# EAGLE board Mk4 Final a Panel score (EAGLE 9.0.1), part 16 of 24
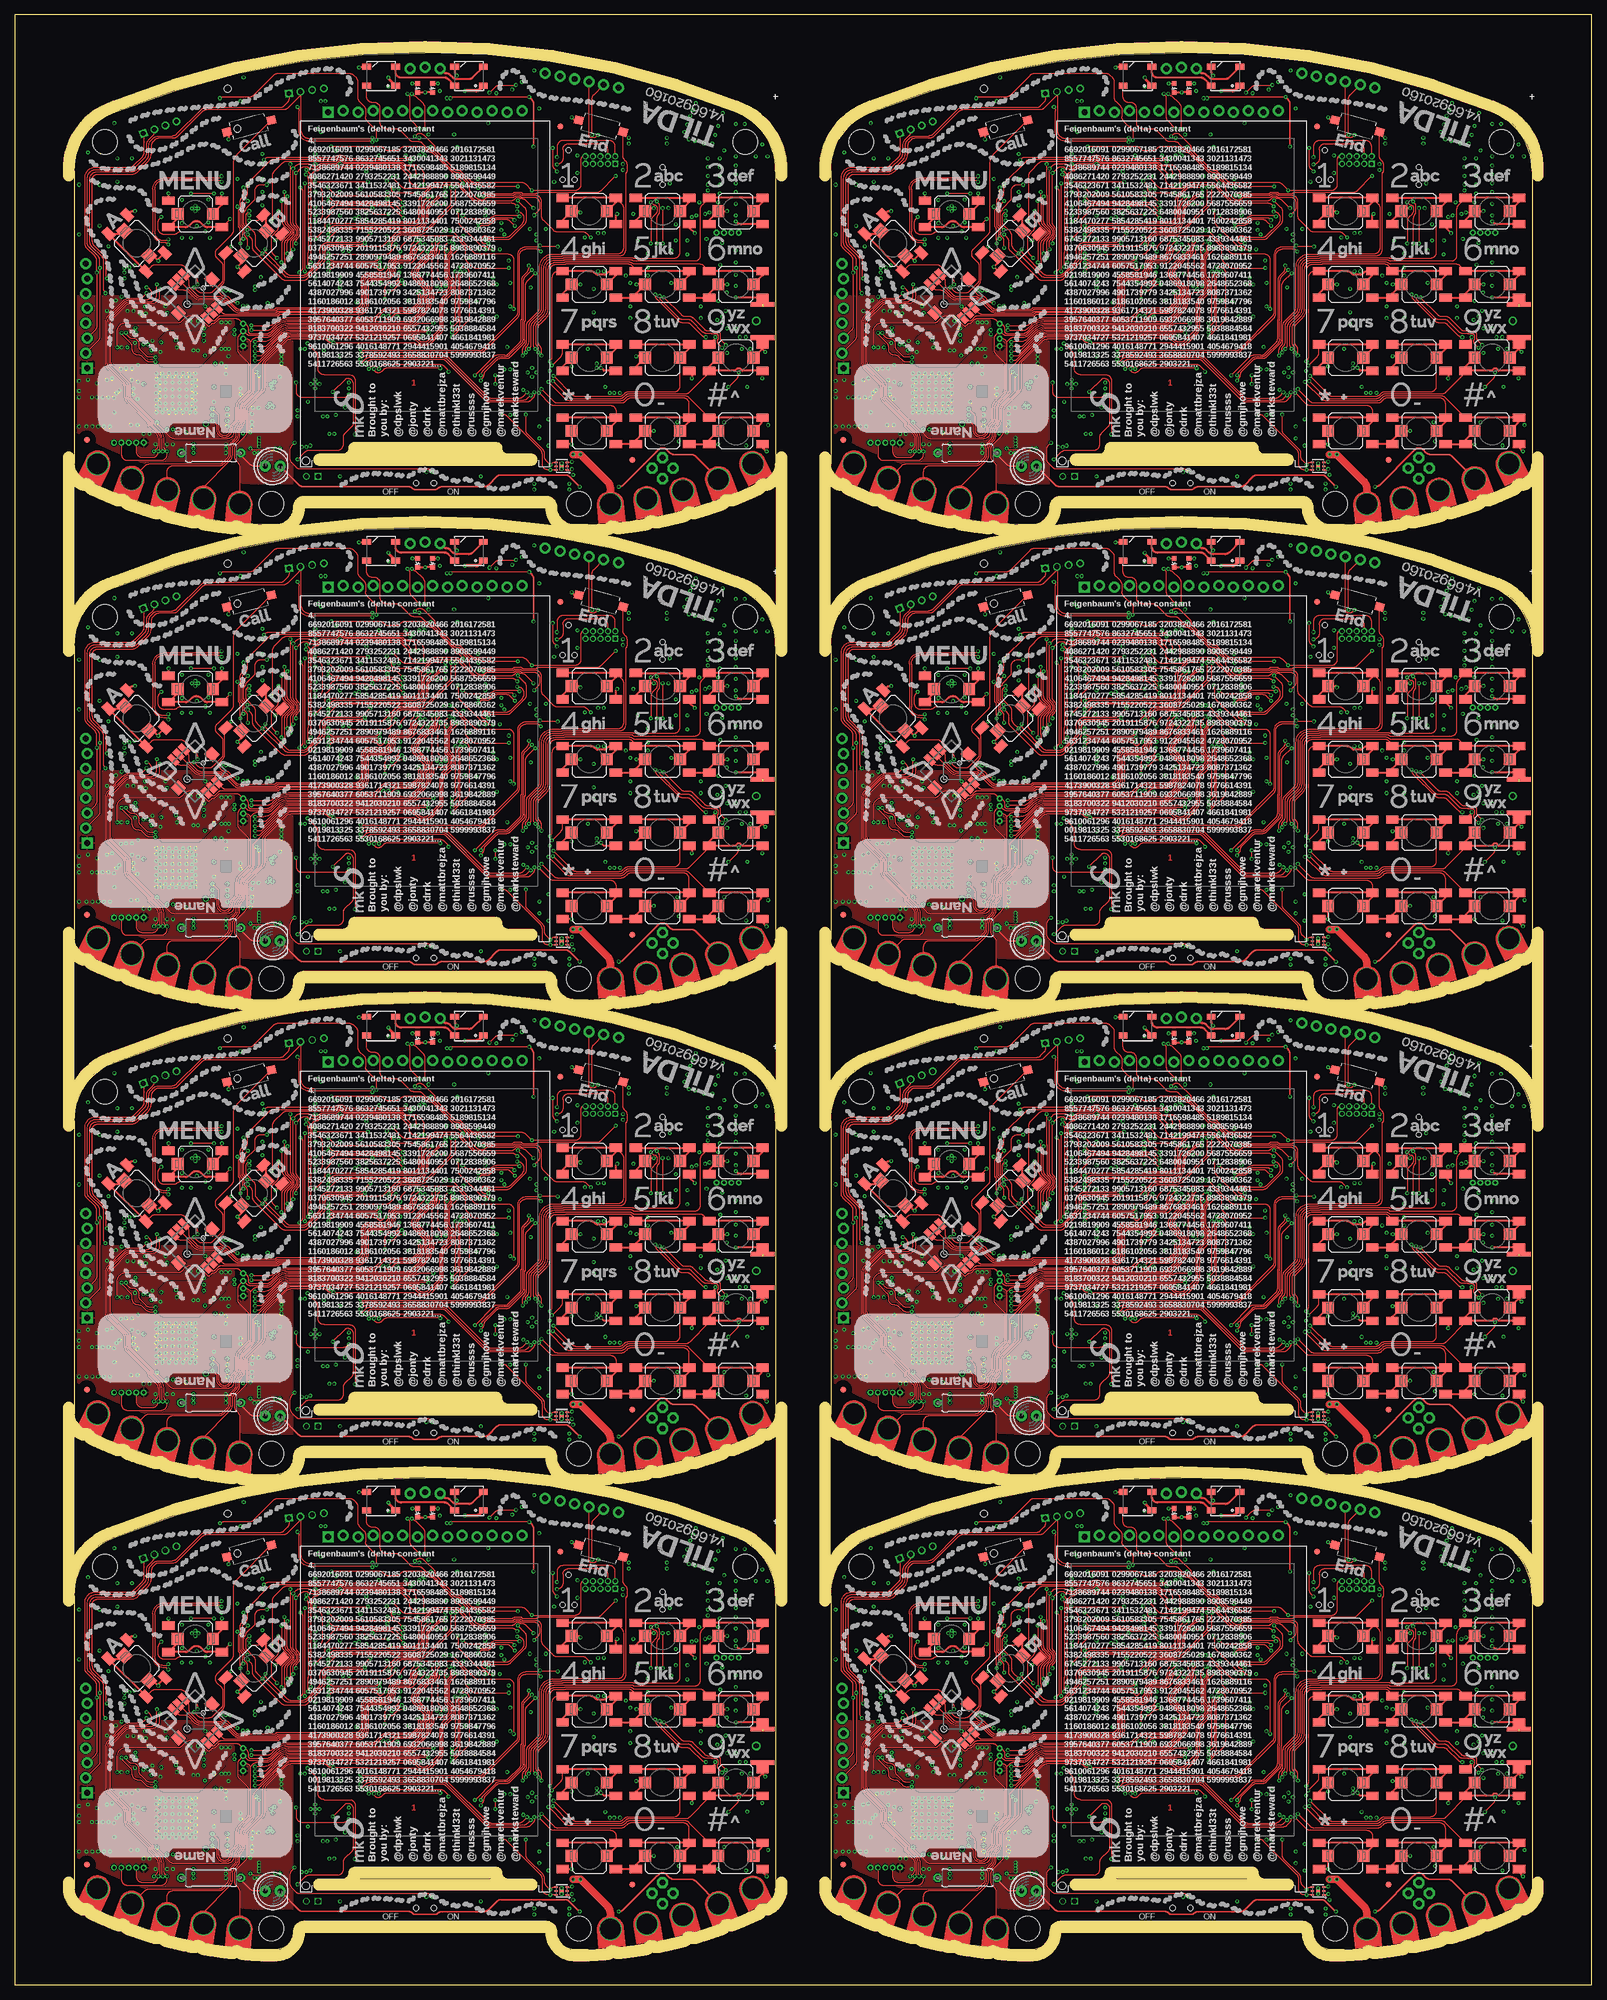
[diagram p0: board, top side]
## Tracks (layer width: path | path; a pad name or v marks a point on that pad's centre or on a via) (continued)
PWM2_SPK_PWM6  (via drill 0.3) (continued)
  Bottom 0.15: IC110.44 59.46,300.2 arc-45 58.76,300.49 v58,301.25 | v55.5,290.5 41.98,290.5 arc-45 41.84,290.56 41.76,290.64 arc45 41.62,290.7 40.91,290.7 arc-45 40.21,290.99 39.84,291.36 arc-45 39.55,292.06 39.55,293.43 arc45 39.18,294.32 37.74,295.75 arc45 37.21,295.98 36.98,295.98 arc-90 36.48,296.48 36.48,296.69 arc45 36.29,297.13 arc-45 36,297.84 36,308.4 arc90 35,309.4 C753.2
PWM2_SPK_PWM7  (via drill 0.3)
  3V3@2 0.15: v187,301.25 187.25,301 187.25,292.75 185,290.5 v184.5,290.5
  Bottom 0.15: IC128.44 188.46,300.2 arc-45 187.76,300.49 v187,301.25 | v184.5,290.5 170.98,290.5 arc-45 170.84,290.56 170.76,290.64 arc45 170.62,290.7 169.91,290.7 arc-45 169.21,290.99 168.84,291.36 arc-45 168.55,292.06 168.55,293.43 arc45 168.18,294.32 166.75,295.75 arc45 166.21,295.98 165.97,295.98 arc-90 165.47,296.48 165.47,296.69 arc45 165.29,297.13 arc-45 165,297.84 165,308.4 arc90 164,309.4 C861.2
PWM3_MIC_PWM  (via drill 0.3)
  Top 0.15: v85.7,60.3 85.39,60.61 arc45 84.69,60.9 80.39,60.9 80.37,60.88 78.98,60.88 arc-45 78.28,61.17 75.56,63.88 arc45 75.21,64.03 71.64,64.03 arc45 70.93,63.73 69.29,62.09 arc45 69,61.39 69,58.7 arc-90 68,57.7 64.48,57.7 arc-45 v64,57.9
  Bottom 0.15: IC1.45 63.29,57.6 arc45 v63.99,57.89 v64,57.9 | v85.7,60.3 85.39,60.61 arc-45 85.1,61.31 85.1,63.75 arc-90 86.1,64.75 R53.2
PWM3_MIC_PWM1  (via drill 0.3)
  Top 0.15: v214.7,60.3 214.39,60.61 arc45 213.69,60.9 209.39,60.9 209.37,60.88 207.98,60.88 arc-45 207.28,61.17 204.56,63.88 arc45 204.21,64.03 200.64,64.03 arc45 199.93,63.73 198.29,62.09 arc45 198,61.39 198,58.7 arc-90 197,57.7 193.48,57.7 arc-45 v193,57.9
  Bottom 0.15: IC20.45 192.29,57.6 arc45 v192.99,57.89 v193,57.9 | v214.7,60.3 214.39,60.61 arc-45 214.1,61.31 214.1,63.75 arc-90 215.1,64.75 R131.2
PWM3_MIC_PWM2  (via drill 0.3)
  Top 0.15: v85.7,141.3 85.39,141.61 arc45 84.69,141.9 80.39,141.9 80.37,141.88 78.98,141.88 arc-45 78.28,142.17 75.56,144.88 arc45 75.21,145.03 71.64,145.03 arc45 70.93,144.73 69.29,143.09 arc45 69,142.39 69,139.7 arc-90 68,138.7 64.48,138.7 arc-45 v64,138.9
  Bottom 0.15: IC38.45 63.29,138.6 arc45 v63.99,138.89 v64,138.9 | v85.7,141.3 85.39,141.61 arc-45 85.1,142.31 85.1,144.75 arc-90 86.1,145.75 R209.2
PWM3_MIC_PWM3  (via drill 0.3)
  Top 0.15: v214.7,141.3 214.39,141.61 arc45 213.69,141.9 209.39,141.9 209.37,141.88 207.98,141.88 arc-45 207.28,142.17 204.56,144.88 arc45 204.21,145.03 200.64,145.03 arc45 199.93,144.73 198.29,143.09 arc45 198,142.39 198,139.7 arc-90 197,138.7 193.48,138.7 arc-45 v193,138.9
  Bottom 0.15: IC56.45 192.29,138.6 arc45 v192.99,138.89 v193,138.9 | v214.7,141.3 214.39,141.61 arc-45 214.1,142.31 214.1,144.75 arc-90 215.1,145.75 R287.2
PWM3_MIC_PWM4  (via drill 0.3)
  Top 0.15: v85.7,222.3 85.39,222.61 arc45 84.69,222.9 80.39,222.9 80.37,222.88 78.98,222.88 arc-45 78.28,223.17 75.56,225.88 arc45 75.21,226.03 71.64,226.03 arc45 70.93,225.73 69.29,224.09 arc45 69,223.39 69,220.7 arc-90 68,219.7 64.48,219.7 arc-45 v64,219.9
  Bottom 0.15: IC74.45 63.29,219.6 arc45 v63.99,219.89 v64,219.9 | v85.7,222.3 85.39,222.61 arc-45 85.1,223.31 85.1,225.75 arc-90 86.1,226.75 R365.2
PWM3_MIC_PWM5  (via drill 0.3)
  Top 0.15: v214.7,222.3 214.39,222.61 arc45 213.69,222.9 209.39,222.9 209.37,222.88 207.98,222.88 arc-45 207.28,223.17 204.56,225.88 arc45 204.21,226.03 200.64,226.03 arc45 199.93,225.73 198.29,224.09 arc45 198,223.39 198,220.7 arc-90 197,219.7 193.48,219.7 arc-45 v193,219.9
  Bottom 0.15: IC92.45 192.29,219.6 arc45 v192.99,219.89 v193,219.9 | v214.7,222.3 214.39,222.61 arc-45 214.1,223.31 214.1,225.75 arc-90 215.1,226.75 R443.2
PWM3_MIC_PWM6  (via drill 0.3)
  Top 0.15: v85.7,303.3 85.39,303.61 arc45 84.69,303.9 80.39,303.9 80.37,303.88 78.98,303.88 arc-45 78.28,304.17 75.56,306.88 arc45 75.21,307.02 71.64,307.02 arc45 70.93,306.73 69.29,305.09 arc45 69,304.39 69,301.7 arc-90 68,300.7 64.48,300.7 arc-45 v64,300.9
  Bottom 0.15: IC110.45 63.29,300.6 arc45 v63.99,300.89 v64,300.9 | v85.7,303.3 85.39,303.61 arc-45 85.1,304.31 85.1,306.75 arc-90 86.1,307.75 R521.2
PWM3_MIC_PWM7  (via drill 0.3)
  Top 0.15: v214.7,303.3 214.39,303.61 arc45 213.69,303.9 209.39,303.9 209.37,303.88 207.98,303.88 arc-45 207.28,304.17 204.56,306.88 arc45 204.21,307.02 200.64,307.02 arc45 199.93,306.73 198.29,305.09 arc45 198,304.39 198,301.7 arc-90 197,300.7 193.48,300.7 arc-45 v193,300.9
  Bottom 0.15: IC128.45 192.29,300.6 arc45 v192.99,300.89 v193,300.9 | v214.7,303.3 214.39,303.61 arc-45 214.1,304.31 214.1,306.75 arc-90 215.1,307.75 R599.2
PWM6_LCD_BLIGHT  (via drill 0.3)
  Top 0.15: v85.1,42.8 85.1,51.2 arc90 84.1,52.2 78.99,52.2 arc-45 78.28,52.49 74.85,55.92 v74.85,56.15 | v63.5,64.6 64.03,64.07 arc-45 64.17,63.72 64.17,63.35 arc90 64.92,62.6 v68.8,62.6
  3V3@2 0.15: v68.8,62.6 74.85,56.55 v74.85,56.15
  Bottom 0.15: Q8.3 85.42,43.33 arc-45 85.28,42.98 v85.1,42.8 | IC1.63 63.3,64.8 v63.5,64.6
PWM6_LCD_BLIGHT1  (via drill 0.3)
  Top 0.15: v214.1,42.8 214.1,51.2 arc90 213.1,52.2 207.99,52.2 arc-45 207.28,52.49 203.85,55.92 v203.85,56.15 | v192.5,64.6 193.03,64.07 arc-45 193.18,63.72 193.18,63.35 arc90 193.93,62.6 v197.8,62.6
  3V3@2 0.15: v197.8,62.6 203.85,56.55 v203.85,56.15
  Bottom 0.15: Q4.3 214.42,43.33 arc-45 214.28,42.98 v214.1,42.8 | IC20.63 192.3,64.8 v192.5,64.6
PWM6_LCD_BLIGHT2  (via drill 0.3)
  Top 0.15: v85.1,123.8 85.1,132.2 arc90 84.1,133.2 78.99,133.2 arc-45 78.28,133.49 74.85,136.92 v74.85,137.15 | v63.5,145.6 64.03,145.07 arc-45 64.17,144.72 64.17,144.35 arc90 64.92,143.6 v68.8,143.6
  3V3@2 0.15: v68.8,143.6 74.85,137.55 v74.85,137.15
  Bottom 0.15: Q9.3 85.42,124.33 arc-45 85.28,123.98 v85.1,123.8 | IC38.63 63.3,145.8 v63.5,145.6
PWM6_LCD_BLIGHT3  (via drill 0.3)
  Top 0.15: v214.1,123.8 214.1,132.2 arc90 213.1,133.2 207.99,133.2 arc-45 207.28,133.49 203.85,136.92 v203.85,137.15 | v192.5,145.6 193.03,145.07 arc-45 193.18,144.72 193.18,144.35 arc90 193.93,143.6 v197.8,143.6
  3V3@2 0.15: v197.8,143.6 203.85,137.55 v203.85,137.15
  Bottom 0.15: Q13.3 214.42,124.33 arc-45 214.28,123.98 v214.1,123.8 | IC56.63 192.3,145.8 v192.5,145.6
PWM6_LCD_BLIGHT4  (via drill 0.3)
  Top 0.15: v85.1,204.8 85.1,213.2 arc90 84.1,214.2 78.99,214.2 arc-45 78.28,214.49 74.85,217.92 v74.85,218.15 | v63.5,226.6 64.03,226.07 arc-45 64.17,225.72 64.17,225.35 arc90 64.92,224.6 v68.8,224.6
  3V3@2 0.15: v68.8,224.6 74.85,218.55 v74.85,218.15
  Bottom 0.15: Q17.3 85.42,205.33 arc-45 85.28,204.98 v85.1,204.8 | IC74.63 63.3,226.8 v63.5,226.6
PWM6_LCD_BLIGHT5  (via drill 0.3)
  Top 0.15: v214.1,204.8 214.1,213.2 arc90 213.1,214.2 207.99,214.2 arc-45 207.28,214.49 203.85,217.92 v203.85,218.15 | v192.5,226.6 193.03,226.07 arc-45 193.18,225.72 193.18,225.35 arc90 193.93,224.6 v197.8,224.6
  3V3@2 0.15: v197.8,224.6 203.85,218.55 v203.85,218.15
  Bottom 0.15: Q21.3 214.42,205.33 arc-45 214.28,204.98 v214.1,204.8 | IC92.63 192.3,226.8 v192.5,226.6
PWM6_LCD_BLIGHT6  (via drill 0.3)
  Top 0.15: v85.1,285.8 85.1,294.2 arc90 84.1,295.2 78.99,295.2 arc-45 78.28,295.49 74.85,298.92 v74.85,299.15 | v63.5,307.6 64.03,307.07 arc-45 64.17,306.72 64.17,306.35 arc90 64.92,305.6 v68.8,305.6
  3V3@2 0.15: v68.8,305.6 74.85,299.55 v74.85,299.15
  Bottom 0.15: Q25.3 85.42,286.33 arc-45 85.28,285.98 v85.1,285.8 | IC110.63 63.3,307.8 v63.5,307.6
PWM6_LCD_BLIGHT7  (via drill 0.3)
  Top 0.15: v214.1,285.8 214.1,294.2 arc90 213.1,295.2 207.99,295.2 arc-45 207.28,295.49 203.85,298.92 v203.85,299.15 | v192.5,307.6 193.03,307.07 arc-45 193.18,306.72 193.18,306.35 arc90 193.93,305.6 v197.8,305.6
  3V3@2 0.15: v197.8,305.6 203.85,299.55 v203.85,299.15
  Bottom 0.15: Q29.3 214.42,286.33 arc-45 214.28,285.98 v214.1,285.8 | IC128.63 192.3,307.8 v192.5,307.6
PWR_KEY_FET
  Bottom 0.15: IC5.39 109.4,37.25 arc-90 107.9,35.75 101.67,35.75 Q1.3
PWR_KEY_FET1
  Bottom 0.15: IC21.39 238.4,37.25 arc-90 236.9,35.75 230.68,35.75 Q6.3
PWR_KEY_FET2
  Bottom 0.15: IC39.39 109.4,118.25 arc-90 107.9,116.75 101.67,116.75 Q11.3
PWR_KEY_FET3
  Bottom 0.15: IC57.39 238.4,118.25 arc-90 236.9,116.75 230.68,116.75 Q15.3
PWR_KEY_FET4
  Bottom 0.15: IC75.39 109.4,199.25 arc-90 107.9,197.75 101.67,197.75 Q19.3
PWR_KEY_FET5
  Bottom 0.15: IC93.39 238.4,199.25 arc-90 236.9,197.75 230.68,197.75 Q23.3
PWR_KEY_FET6
  Bottom 0.15: IC111.39 109.4,280.25 arc-90 107.9,278.75 101.67,278.75 Q27.3
PWR_KEY_FET7
  Bottom 0.15: IC129.39 238.4,280.25 arc-90 236.9,278.75 230.68,278.75 Q31.3
RBIAS+
  Bottom 0.2: IC1.59 60.8,63.2 R3.1
RBIAS+1
  Bottom 0.2: IC20.59 189.8,63.2 R87.1
RBIAS+2
  Bottom 0.2: IC38.59 60.8,144.2 R165.1
RBIAS+3
  Bottom 0.2: IC56.59 189.8,144.2 R243.1
RBIAS+4
  Bottom 0.2: IC74.59 60.8,225.2 R321.1
RBIAS+5
  Bottom 0.2: IC92.59 189.8,225.2 R399.1
RBIAS+6
  Bottom 0.2: IC110.59 60.8,306.2 R477.1
RBIAS+7
  Bottom 0.2: IC128.59 189.8,306.2 R555.1
SDRAM_!CAS  (via drill 0.3)
  Top 0.15: v53.5,56.25 53.96,56.71 arc-45 54.66,57 68.1,57 arc90 69.6,58.5 69.6,60.69 arc-45 69.89,61.39 v70.5,62
  Bottom 0.15: IC2.17 52.95,56.3 53,56.25 v53.5,56.25 | IC1.83 71,62.91 arc-45 70.71,62.21 v70.5,62
SDRAM_!CAS1  (via drill 0.3)
  Top 0.15: v182.5,56.25 182.96,56.71 arc-45 183.66,57 197.1,57 arc90 198.6,58.5 198.6,60.69 arc-45 198.89,61.39 v199.5,62
  Bottom 0.15: IC19.17 181.95,56.3 182,56.25 v182.5,56.25 | IC20.83 200,62.91 arc-45 199.71,62.21 v199.5,62
SDRAM_!CAS2  (via drill 0.3)
  Top 0.15: v53.5,137.25 53.96,137.71 arc-45 54.66,138 68.1,138 arc90 69.6,139.5 69.6,141.69 arc-45 69.89,142.39 v70.5,143
  Bottom 0.15: IC37.17 52.95,137.3 53,137.25 v53.5,137.25 | IC38.83 71,143.91 arc-45 70.71,143.21 v70.5,143
SDRAM_!CAS3  (via drill 0.3)
  Top 0.15: v182.5,137.25 182.96,137.71 arc-45 183.66,138 197.1,138 arc90 198.6,139.5 198.6,141.69 arc-45 198.89,142.39 v199.5,143
  Bottom 0.15: IC55.17 181.95,137.3 182,137.25 v182.5,137.25 | IC56.83 200,143.91 arc-45 199.71,143.21 v199.5,143
SDRAM_!CAS4  (via drill 0.3)
  Top 0.15: v53.5,218.25 53.96,218.71 arc-45 54.66,219 68.1,219 arc90 69.6,220.5 69.6,222.69 arc-45 69.89,223.39 v70.5,224
  Bottom 0.15: IC73.17 52.95,218.3 53,218.25 v53.5,218.25 | IC74.83 71,224.91 arc-45 70.71,224.21 v70.5,224
SDRAM_!CAS5  (via drill 0.3)
  Top 0.15: v182.5,218.25 182.96,218.71 arc-45 183.66,219 197.1,219 arc90 198.6,220.5 198.6,222.69 arc-45 198.89,223.39 v199.5,224
  Bottom 0.15: IC91.17 181.95,218.3 182,218.25 v182.5,218.25 | IC92.83 200,224.91 arc-45 199.71,224.21 v199.5,224
SDRAM_!CAS6  (via drill 0.3)
  Top 0.15: v53.5,299.25 53.96,299.71 arc-45 54.66,300 68.1,300 arc90 69.6,301.5 69.6,303.69 arc-45 69.89,304.39 v70.5,305
  Bottom 0.15: IC109.17 52.95,299.3 53,299.25 v53.5,299.25 | IC110.83 71,305.91 arc-45 70.71,305.21 v70.5,305
SDRAM_!CAS7  (via drill 0.3)
  Top 0.15: v182.5,299.25 182.96,299.71 arc-45 183.66,300 197.1,300 arc90 198.6,301.5 198.6,303.69 arc-45 198.89,304.39 v199.5,305
  Bottom 0.15: IC127.17 181.95,299.3 182,299.25 v182.5,299.25 | IC128.83 200,305.91 arc-45 199.71,305.21 v199.5,305
SDRAM_!CS  (via drill 0.3)
  Top 0.15: v73.5,62.75 73.16,62.41 arc-45 72.89,62.3 arc45 72.18,62.01 70.49,60.32 arc45 70.2,59.61 70.2,58.4 arc-90 68.2,56.4 55.56,56.4 arc45 54.86,56.11 v53.5,54.75
  Bottom 0.15: IC2.19 52.43,54.75 v53.5,54.75 | IC1.103 76.55,62.8 arc-45 76.43,62.75 v73.5,62.75
SDRAM_!CS1  (via drill 0.3)
  Top 0.15: v202.5,62.75 202.16,62.41 arc-45 201.89,62.3 arc45 201.18,62.01 199.49,60.32 arc45 199.2,59.61 199.2,58.4 arc-90 197.2,56.4 184.56,56.4 arc45 183.86,56.11 v182.5,54.75
  Bottom 0.15: IC19.19 181.43,54.75 v182.5,54.75 | IC20.103 205.55,62.8 arc-45 205.43,62.75 v202.5,62.75
SDRAM_!CS2  (via drill 0.3)
  Top 0.15: v73.5,143.75 73.16,143.41 arc-45 72.89,143.3 arc45 72.18,143.01 70.49,141.32 arc45 70.2,140.61 70.2,139.4 arc-90 68.2,137.4 55.56,137.4 arc45 54.86,137.11 v53.5,135.75
  Bottom 0.15: IC37.19 52.43,135.75 v53.5,135.75 | IC38.103 76.55,143.8 arc-45 76.43,143.75 v73.5,143.75
SDRAM_!CS3  (via drill 0.3)
  Top 0.15: v202.5,143.75 202.16,143.41 arc-45 201.89,143.3 arc45 201.18,143.01 199.49,141.32 arc45 199.2,140.61 199.2,139.4 arc-90 197.2,137.4 184.56,137.4 arc45 183.86,137.11 v182.5,135.75
  Bottom 0.15: IC55.19 181.43,135.75 v182.5,135.75 | IC56.103 205.55,143.8 arc-45 205.43,143.75 v202.5,143.75
SDRAM_!CS4  (via drill 0.3)
  Top 0.15: v73.5,224.75 73.16,224.41 arc-45 72.89,224.3 arc45 72.18,224.01 70.49,222.32 arc45 70.2,221.61 70.2,220.4 arc-90 68.2,218.4 55.56,218.4 arc45 54.86,218.11 v53.5,216.75
  Bottom 0.15: IC73.19 52.43,216.75 v53.5,216.75 | IC74.103 76.55,224.8 arc-45 76.43,224.75 v73.5,224.75
SDRAM_!CS5  (via drill 0.3)
  Top 0.15: v202.5,224.75 202.16,224.41 arc-45 201.89,224.3 arc45 201.18,224.01 199.49,222.32 arc45 199.2,221.61 199.2,220.4 arc-90 197.2,218.4 184.56,218.4 arc45 183.86,218.11 v182.5,216.75
  Bottom 0.15: IC91.19 181.43,216.75 v182.5,216.75 | IC92.103 205.55,224.8 arc-45 205.43,224.75 v202.5,224.75
SDRAM_!CS6  (via drill 0.3)
  Top 0.15: v73.5,305.75 73.16,305.41 arc-45 72.89,305.3 arc45 72.18,305.01 70.49,303.32 arc45 70.2,302.61 70.2,301.4 arc-90 68.2,299.4 55.56,299.4 arc45 54.86,299.11 v53.5,297.75
  Bottom 0.15: IC109.19 52.43,297.75 v53.5,297.75 | IC110.103 76.55,305.8 arc-45 76.43,305.75 v73.5,305.75
SDRAM_!CS7  (via drill 0.3)
  Top 0.15: v202.5,305.75 202.16,305.41 arc-45 201.89,305.3 arc45 201.18,305.01 199.49,303.32 arc45 199.2,302.61 199.2,301.4 arc-90 197.2,299.4 184.56,299.4 arc45 183.86,299.11 v182.5,297.75
  Bottom 0.15: IC127.19 181.43,297.75 v182.5,297.75 | IC128.103 205.55,305.8 arc-45 205.43,305.75 v202.5,305.75
SDRAM_!RAS  (via drill 0.3)
  Top 0.15: v53.5,55.5 54.41,56.41 arc-45 55.11,56.7 68.15,56.7 arc90 69.9,58.45 69.9,60.24 arc-45 70.19,60.94 v71.25,62
  Bottom 0.15: IC2.18 v53.5,55.5 | IC1.84 71.4,62.36 arc-45 v71.25,62
SDRAM_!RAS1  (via drill 0.3)
  Top 0.15: v182.5,55.5 183.41,56.41 arc-45 184.11,56.7 197.15,56.7 arc90 198.9,58.45 198.9,60.24 arc-45 199.19,60.94 v200.25,62
  Bottom 0.15: IC19.18 v182.5,55.5 | IC20.84 200.4,62.36 arc-45 v200.25,62
SDRAM_!RAS2  (via drill 0.3)
  Top 0.15: v53.5,136.5 54.41,137.41 arc-45 55.11,137.7 68.15,137.7 arc90 69.9,139.45 69.9,141.24 arc-45 70.19,141.94 v71.25,143
  Bottom 0.15: IC37.18 v53.5,136.5 | IC38.84 71.4,143.36 arc-45 v71.25,143
SDRAM_!RAS3  (via drill 0.3)
  Top 0.15: v182.5,136.5 183.41,137.41 arc-45 184.11,137.7 197.15,137.7 arc90 198.9,139.45 198.9,141.24 arc-45 199.19,141.94 v200.25,143
  Bottom 0.15: IC55.18 v182.5,136.5 | IC56.84 200.4,143.36 arc-45 v200.25,143
SDRAM_!RAS4  (via drill 0.3)
  Top 0.15: v53.5,217.5 54.41,218.41 arc-45 55.11,218.7 68.15,218.7 arc90 69.9,220.45 69.9,222.24 arc-45 70.19,222.94 v71.25,224
  Bottom 0.15: IC73.18 v53.5,217.5 | IC74.84 71.4,224.36 arc-45 v71.25,224
SDRAM_!RAS5  (via drill 0.3)
  Top 0.15: v182.5,217.5 183.41,218.41 arc-45 184.11,218.7 197.15,218.7 arc90 198.9,220.45 198.9,222.24 arc-45 199.19,222.94 v200.25,224
  Bottom 0.15: IC91.18 v182.5,217.5 | IC92.84 200.4,224.36 arc-45 v200.25,224
SDRAM_!RAS6  (via drill 0.3)
  Top 0.15: v53.5,298.5 54.41,299.41 arc-45 55.11,299.7 68.15,299.7 arc90 69.9,301.45 69.9,303.24 arc-45 70.19,303.94 v71.25,305
  Bottom 0.15: IC109.18 v53.5,298.5 | IC110.84 71.4,305.36 arc-45 v71.25,305
SDRAM_!RAS7  (via drill 0.3)
  Top 0.15: v182.5,298.5 183.41,299.41 arc-45 184.11,299.7 197.15,299.7 arc90 198.9,301.45 198.9,303.24 arc-45 199.19,303.94 v200.25,305
  Bottom 0.15: IC127.18 v182.5,298.5 | IC128.84 200.4,305.36 arc-45 v200.25,305
SDRAM_!WE  (via drill 0.3)
  Top 0.15: v73.5,63.5 71.54,63.5 arc45 70.83,63.21 69.59,61.97 arc45 69.3,61.26 69.3,58.62 arc-90 68.05,57.38 54.29,57.38 arc45 53.58,57.08 v53.5,57
  Bottom 0.15: IC2.16 52.9,57.1 53,57 v53.5,57 | IC1.92 74.6,65.01 arc-45 74.31,64.31 v73.5,63.5
SDRAM_!WE1  (via drill 0.3)
  Top 0.15: v202.5,63.5 200.54,63.5 arc45 199.83,63.21 198.59,61.97 arc45 198.3,61.26 198.3,58.62 arc-90 197.05,57.38 183.29,57.38 arc45 182.58,57.08 v182.5,57
  Bottom 0.15: IC19.16 181.9,57.1 182,57 v182.5,57 | IC20.92 203.6,65.01 arc-45 203.31,64.31 v202.5,63.5
SDRAM_!WE2  (via drill 0.3)
  Top 0.15: v73.5,144.5 71.54,144.5 arc45 70.83,144.21 69.59,142.97 arc45 69.3,142.26 69.3,139.62 arc-90 68.05,138.38 54.29,138.38 arc45 53.58,138.08 v53.5,138
  Bottom 0.15: IC37.16 52.9,138.1 53,138 v53.5,138 | IC38.92 74.6,146.01 arc-45 74.31,145.31 v73.5,144.5
SDRAM_!WE3  (via drill 0.3)
  Top 0.15: v202.5,144.5 200.54,144.5 arc45 199.83,144.21 198.59,142.97 arc45 198.3,142.26 198.3,139.62 arc-90 197.05,138.38 183.29,138.38 arc45 182.58,138.08 v182.5,138
  Bottom 0.15: IC55.16 181.9,138.1 182,138 v182.5,138 | IC56.92 203.6,146.01 arc-45 203.31,145.31 v202.5,144.5
SDRAM_!WE4  (via drill 0.3)
  Top 0.15: v73.5,225.5 71.54,225.5 arc45 70.83,225.21 69.59,223.97 arc45 69.3,223.26 69.3,220.62 arc-90 68.05,219.38 54.29,219.38 arc45 53.58,219.08 v53.5,219
  Bottom 0.15: IC73.16 52.9,219.1 53,219 v53.5,219 | IC74.92 74.6,227.01 arc-45 74.31,226.31 v73.5,225.5
SDRAM_!WE5  (via drill 0.3)
  Top 0.15: v202.5,225.5 200.54,225.5 arc45 199.83,225.21 198.59,223.97 arc45 198.3,223.26 198.3,220.62 arc-90 197.05,219.38 183.29,219.38 arc45 182.58,219.08 v182.5,219
  Bottom 0.15: IC91.16 181.9,219.1 182,219 v182.5,219 | IC92.92 203.6,227.01 arc-45 203.31,226.31 v202.5,225.5
SDRAM_!WE6  (via drill 0.3)
  Top 0.15: v73.5,306.5 71.54,306.5 arc45 70.83,306.21 69.59,304.97 arc45 69.3,304.26 69.3,301.62 arc-90 68.05,300.38 54.29,300.38 arc45 53.58,300.08 v53.5,300
  Bottom 0.15: IC109.16 52.9,300.1 53,300 v53.5,300 | IC110.92 74.6,308.01 arc-45 74.31,307.31 v73.5,306.5
SDRAM_!WE7  (via drill 0.3)
  Top 0.15: v202.5,306.5 200.54,306.5 arc45 199.83,306.21 198.59,304.97 arc45 198.3,304.26 198.3,301.62 arc-90 197.05,300.38 183.29,300.38 arc45 182.58,300.08 v182.5,300
  Bottom 0.15: IC127.16 181.9,300.1 182,300 v182.5,300 | IC128.92 203.6,308.01 arc-45 203.31,307.31 v202.5,306.5
SDRAM_A0  (via drill 0.3)
  Top 0.15: v47,67.5 v47,67.49 46.98,67.47 46.98,62.27 47.02,62.22 47.02,57.7 arc45 47.32,56.99 47.73,56.58 arc-90 47.73,55.17 47.27,54.7 arc45 46.98,54 46.98,52.52 47.02,52.47 47.02,52.03 47,52.01 v47,51.5 | v62.3,51.5 61.99,51.19 arc-45 61.29,50.9 54.51,50.9 arc-45 53.81,51.19 v53.5,51.5
  Bottom 0.15: IC2.2 48.21,68.3 arc45 47.51,68.01 v47,67.5 | IC1.29 65,52.02 arc90 64.5,52.52 64.12,52.52 | v53.5,51.5 IC2.23 v47,51.5 | 64.12,52.52 | 64.12,52.52 63.68,52.52 arc45 63.08,52.28 v62.3,51.5
SDRAM_A1  (via drill 0.3)
  Top 0.15: v62.3,50.75 arc-45 61.94,50.6 53.86,50.6 arc-45 v53.5,50.75 | v49.75,66.5 50.11,66.14 arc-45 50.4,65.44 50.4,64.13 arc45 50.44,64.03 arc-45 50.5,63.89 v50.5,50.75
  Bottom 0.15: v49.75,66.5 arc-45 50.23,66.7 IC2.4 | IC1.30 64.6,51.98 arc90 64.35,52.23 63.68,52.23 arc45 63.33,52.08 63.21,51.96 arc45 63,51.45 arc-90 v62.3,50.75 | v53.5,50.75 53.07,50.75 arc45 52.95,50.7 IC2.24 51.8,50.7 51.75,50.75 v50.5,50.75
SDRAM_A2  (via drill 0.3)
  Top 0.15: v49.7,65.75 49.73,65.72 arc-45 50.02,65.01 50.02,52.4 49.98,52.35 49.98,50.02 v50,50 | v62.3,50 v62.29,50.01 arc45 61.59,50.3 54.21,50.3 arc45 v53.51,50.01 v53.5,50
  Bottom 0.15: v49.7,65.75 arc-45 50.06,65.9 IC2.5 | v53.5,50 53.08,50 arc45 52.94,49.94 52.9,49.9 IC2.25 51.85,49.9 51.81,49.94 arc45 51.67,50 v50,50 | IC1.31 64.2,49.85 arc-90 63.7,49.35 62.8,49.35 arc-90 62.3,49.85 v62.3,50 v62.3,49.99
SDRAM_A3  (via drill 0.3)
  Top 0.15: v49.5,64.25 49.48,64.22 49.48,49.27 v49.5,49.25 | v53.5,49.25 53.96,49.71 arc-45 54.66,50 61.14,50 arc-45 61.84,49.71 62.02,49.53 arc90 62.73,49.53 v63.2,50
  Bottom 0.15: v53.5,49.25 53,49.25 52.85,49.1 IC2.26 51.9,49.1 51.81,49.19 arc45 51.67,49.25 v49.5,49.25 | v63.2,50 63.3,50 arc90 63.8,50.5 IC1.32 | v49.5,64.25 49.52,64.25 49.57,64.2 50.61,64.2 arc-45 50.75,64.14 50.77,64.11 arc90 51.84,64.11 52.02,64.3 IC2.7
SDRAM_A4  (via drill 0.3)
  Top 0.15: v53.5,63.5 54.58,62.42 arc45 55.29,62.12 64.71,62.12 arc-45 65.42,61.83 v66.25,61 | v48.75,63.5 48.95,63.3 arc-45 49.1,62.94 49.1,49.76 arc-45 48.95,49.4 v48.55,49
  Bottom 0.15: IC1.22 67.8,59.04 arc45 67.51,59.74 v66.25,61 | v48.75,63.5 IC2.8 v53.5,63.5 | IC2.29 41.59,49.1 arc-45 41.69,49.06 arc45 41.83,49 v48.55,49
SDRAM_A5  (via drill 0.3)
  Top 0.15: v46,62.75 45.98,62.73 45.98,61.58 arc45 46.02,61.48 arc-45 46.08,61.34 46.08,57.8 arc45 46.37,57.09 47.23,56.23 arc-90 47.23,55.52 46.27,54.55 arc45 45.98,53.85 45.98,51.4 46.02,51.35 46.02,50.02 v46,50 | v66.25,60 65.54,60.71 arc45 64.84,61 61.67,61 arc-45 61.53,61.06 61.52,61.07 arc45 61.38,61.12 54.79,61.12 arc-45 54.08,61.42 v53.5,62
  Bottom 0.15: v66.25,60 67.11,59.14 arc-45 67.4,58.44 IC1.23 | v46,62.75 46.09,62.75 arc-45 46.79,62.46 46.96,62.29 arc45 47.66,62 51.42,62 arc-45 51.56,61.94 arc45 51.66,61.9 IC2.10 52.82,61.9 arc45 52.96,61.96 arc-45 53.06,62 v53.5,62 | IC2.30 41.59,49.9 arc45 41.69,49.94 arc-45 41.83,50 v46,50
SDRAM_A6  (via drill 0.3)
  Top 0.15: v45.5,61.25 45.5,59.74 45.52,59.72 45.52,57.93 arc45 45.82,57.22 46.99,56.05 arc-90 46.99,55.7 45.79,54.5 arc45 45.5,53.8 v45.5,50.75 | v66.25,59.25 65.09,60.41 arc45 64.39,60.7 61.55,60.7 arc-45 61.41,60.76 61.4,60.77 arc45 61.26,60.83 54.34,60.83 arc-45 53.63,61.12 v53.5,61.25
  Bottom 0.15: v66.25,59.25 66.71,58.79 arc-45 67,58.09 IC1.24 | v45.5,61.25 51.42,61.25 arc-45 51.56,61.19 51.59,61.16 arc45 51.73,61.1 IC2.11 52.77,61.1 arc45 52.91,61.16 52.94,61.19 arc-45 53.08,61.25 v53.5,61.25 | IC2.31 41.7,50.7 arc-45 41.82,50.75 v45.5,50.75
SDRAM_A7  (via drill 0.3)
  Top 0.15: v66.3,58.3 64.49,60.11 arc45 63.79,60.4 61.42,60.4 arc-45 61.28,60.46 61.28,60.47 arc45 61.13,60.52 54.94,60.52 arc45 54.23,60.23 v53.5,59.5 | v45,59.5 45,56.83 arc-45 44.71,56.12 44.14,55.56 arc45 43.85,54.85 43.85,52.81 arc45 44.14,52.11 v44.75,51.5
  Bottom 0.15: v53.5,59.5 IC2.13 v45,59.5 | IC2.32 v44.75,51.5 | IC1.25 66.6,53.26 66.62,53.28 66.62,57.56 arc45 66.33,58.27 v66.3,58.3
SDRAM_A8  (via drill 0.3)
  Top 0.15: v59.75,54.1 v59.74,54.09 arc-45 59.04,53.8 53.75,53.8 arc90 52.5,52.55 52.5,51.5 arc-45 52.21,50.79 49.89,48.47 arc-45 49.18,48.17 46.74,48.17 arc-45 46.03,48.47 v42.25,52.25 41.29,53.21 arc-45 41,53.91 41,55.33 arc45 40.71,56.03 39.47,57.27 arc-45 39.4,57.45 39.4,58.69 arc-45 39.55,59.05 v40,59.5
  Bottom 0.15: IC2.42 v40,59.5 | IC2.33 41.7,52.3 arc45 41.82,52.25 v42.25,52.25 | IC1.40 61.66,55.6 arc45 60.96,55.31 v59.75,54.1
SDRAM_A9  (via drill 0.3)
  Top 0.15: v39.75,53.25 39.75,54.34 arc45 39.46,55.05 39.38,55.12 arc-45 39.16,55.65 39.16,56.58 arc45 39.09,56.76 38.87,56.98 arc-45 38.8,57.16 38.8,59.24 arc-45 38.95,59.59 39.02,59.67 arc45 39.16,60.02 39.16,60.25 arc-45 39.46,60.96 v39.75,61.25 | v60.65,55.75 59.32,54.42 arc-45 58.61,54.12 53.5,54.12 arc90 52,52.62 52,51.42 arc-45 51.71,50.72 49.76,48.77 arc-45 49.05,48.48 47.2,48.48 arc-45 46.49,48.77 43.04,52.22 arc-45 42.75,52.92 v42.75,53
  Bottom 0.15: IC2.44 40.65,61.1 40.65,61.1 arc45 40.29,61.25 v39.75,61.25 | v39.75,53.25 40.29,53.25 arc-45 40.65,53.1 IC2.34 42.51,53.1 arc-45 v42.75,53 | IC1.41 61.25,56 arc45 v60.65,55.75
SDRAM_A10  (via drill 0.3)
  Top 0.15: v53.5,52.25 53.58,52.17 63.35,52.17 arc45 64.06,52.47 64.9,53.31 arc45 65.05,53.66 v65.05,53.8 | v46.5,52.25 46.5,53.95 arc-45 46.79,54.65 47.48,55.34 arc90 47.48,56.4 46.79,57.09 arc-45 46.5,57.8 v46.5,62
  Bottom 0.15: IC2.45 41.82,61.9 arc45 41.96,61.96 arc-45 42.06,62 v46.5,62 | v53.5,52.25 53,52.25 52.95,52.3 IC2.22 51.8,52.3 arc-45 51.68,52.25 v46.5,52.25 | IC1.50 63.54,59.6 arc-45 64.24,59.31 64.76,58.79 arc-45 65.05,58.09 v65.05,53.8
SDRAM_A11  (via drill 0.3)
  Top 0.15: v39,63.5 39,62.41 arc-45 38.71,61.71 arc45 38.5,61.21 38.5,60.49 38.52,60.47 38.52,60.1 arc-45 38.48,59.98 38.48,59.97 38.35,59.84 arc45 38.2,59.49 38.2,56.91 arc45 38.27,56.73 38.4,56.6 arc-45 38.48,56.42 38.48,54.53 38.5,54.51 v38.5,54 | v51.25,54.75 52.68,56.18 arc45 52.98,56.89 52.98,57.71 arc-45 53.27,58.42 54.46,59.61 arc-45 55.16,59.9 59.94,59.9 arc-45 60.64,59.61 60.96,59.29 arc45 61.66,59 v63.75,59
  Bottom 0.15: IC2.47 v39,63.5 | v38.5,54 40.42,54 arc-45 40.56,53.94 40.6,53.9 IC2.35 46.49,53.9 arc45 47.19,54.19 47.46,54.46 arc-45 48.16,54.75 v51.25,54.75 | IC1.49 63.27,59.2 arc-45 v63.75,59
SDRAM_A12  (via drill 0.3)
  Top 0.15: v39,54.75 39,55.08 38.86,55.22 38.86,56.46 arc45 38.79,56.64 38.57,56.85 arc-45 38.5,57.03 38.5,59.37 arc-45 38.65,59.72 38.72,59.79 arc45 38.86,60.14 38.86,60.95 arc-45 39.16,61.66 39.46,61.96 arc45 39.75,62.66 v39.75,64.25 43.53,68.03 arc-45 44.24,68.33 54.73,68.33 54.79,68.38 arc-90 56.21,68.38 56.42,68.17 66.97,68.17 arc-45 v67.47,67.97
  Bottom 0.15: IC2.48 40.55,64.3 40.5,64.25 v39.75,64.25 | IC2.36 40.55,54.7 40.5,54.75 v39,54.75 | v67.47,67.97 67.8,67.64 IC1.75
SDRAM_A13  (via drill 0.3)
  Top 0.15: v176,67.5 v176,67.49 175.97,67.47 175.97,62.27 176.03,62.22 176.03,57.7 arc45 176.32,56.99 176.73,56.58 arc-90 176.73,55.17 176.27,54.7 arc45 175.97,54 175.97,52.52 176.03,52.47 176.03,52.03 176,52.01 v176,51.5 | v191.3,51.5 190.99,51.19 arc-45 190.29,50.9 183.51,50.9 arc-45 182.81,51.19 v182.5,51.5
  Bottom 0.15: IC19.2 177.21,68.3 arc45 176.51,68.01 v176,67.5 | IC20.29 194,52.02 arc90 193.5,52.52 193.12,52.52 | v182.5,51.5 IC19.23 v176,51.5 | 193.12,52.52 | 193.12,52.52 192.68,52.52 arc45 192.08,52.28 v191.3,51.5